# Altium PCB PCB_3U_DAC.PCBDOC (part 4 of 9)
Units mm, origin at the board's own origin, x right, y up, seen from the top; angles counter-clockwise.
Board outline 186.91 x 200.1 mm, 4 copper layers (TopLayer, Internal Plane 2, Signal Layer 1, BottomLayer), stack 1.563 mm thick; 822 components, 563 nets, 2611 pads, 820 vias.
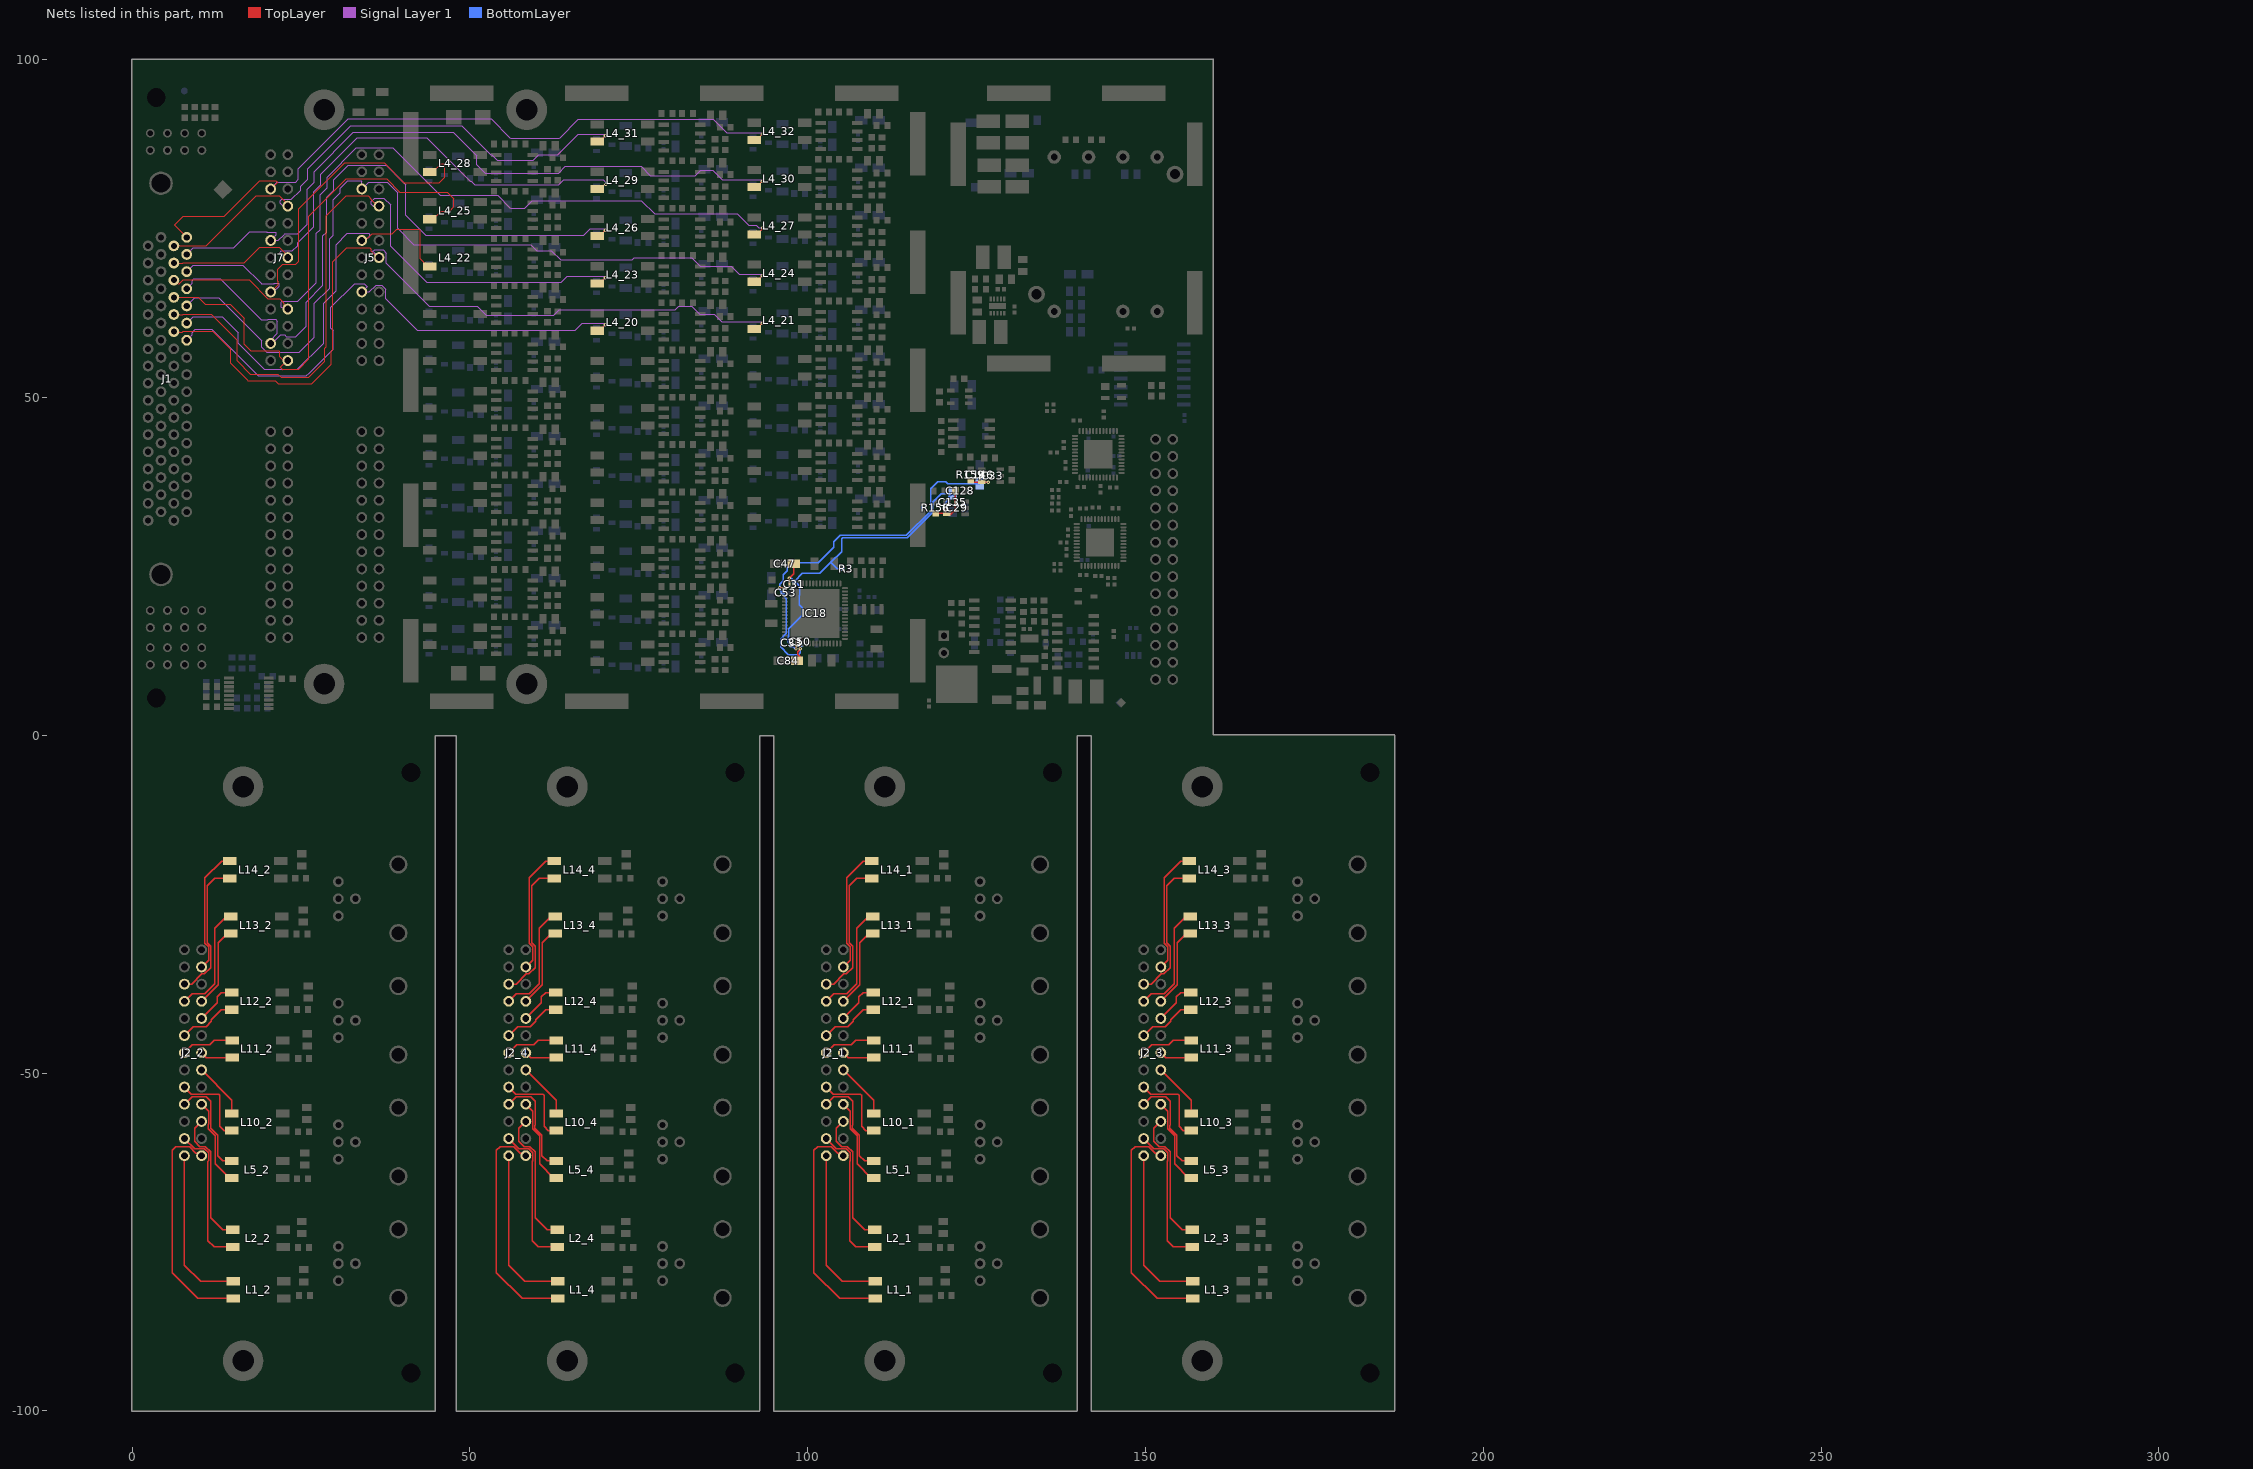
[diagram p6: the nets of this part, all layers, seen from the top]

## Via types
v1: diameter 0.5, hole 0.2, TopLayer to BottomLayer, tented both sides, 685 vias
v2: diameter 0.6, hole 0.3, TopLayer to BottomLayer, tented both sides, 105 vias
v3: diameter 1, hole 0.5, TopLayer to BottomLayer, tented both sides, 21 vias
v4: diameter 1, hole 0.6, TopLayer to BottomLayer, tented both sides, 9 vias

## Nets (pads, with @x,y where several pads share a name; then routed paths per layer and width w, separated by ;. In a path a pad name is that pad's centre, name@x,y a point inside that pad or via, vN(x,y) a via of type N, cw(c..) or ccw(c..) an arc to the next point about the centre after c; other vN are vias at no path point) (continued)
DAC_OUT_P20: J1.22 J5.10 L4_20.4 | length 83.6
  TopLayer w0.152: L4_20.4@68.846,59.881 69.186,59.881 v1(70.051,60.746)
  Signal Layer 1 w0.152: J1.22@8.07,58.471 8.861,59.262 8.861,59.56 9.369,60.068 11.782,60.068 18.182,53.667 18.657,53.193 25.784,53.193 26.259,53.667 29.65,57.059 29.739,57.148 29.739,59.94 29.65,60.03 29.396,60.284 29.396,63.332 32.923,66.858 34.318,66.858 34.426,66.75 34.771,66.405 J5.10@33.992,65.626 35.114,65.626 36.117,66.629 36.948,66.629 37.473,66.105 37.536,66.042 37.536,64.617 42.211,59.941 58.702,59.941 58.74,59.979 59.116,59.979 59.154,59.941 65.618,59.941 66.646,60.969 69.829,60.969 v1(70.051,60.746)
DAC_OUT_P21: J1.23 J5.13 L4_21.4 | length 119.9
  TopLayer w0.152: J1.23@6.165,59.741 6.219,59.687 7.436,59.687 7.528,59.779 11.931,59.779 14.55,57.16 14.55,55.046 17.007,52.588 17.097,52.499 21.161,52.499 21.626,52.034 26.543,52.034 29.46,54.951 29.46,56.874 29.587,57.001 29.676,57.09 29.676,70.089 31.771,72.184 35.149,72.184 35.238,72.095 35.415,71.918 35.415,71.625 36.334,70.706 J5.13@36.532,70.706 ; L4_21.4@92.046,60.131 92.386,60.131 v1(93.251,60.996)
  Signal Layer 1 w0.152: J5.13@36.532,70.706 35.613,71.625 35.867,71.879 37.131,71.879 37.639,71.371 37.639,69.848 37.728,69.759 43.989,63.497 51.101,63.497 52.422,62.176 62.404,62.176 63.217,62.989 80.37,62.989 80.92,63.538 82.838,63.538 84.022,62.354 86.153,62.354 87.289,61.219 93.029,61.219 v1(93.251,60.996)
DAC_OUT_P22: J1.24 J5.16 L4_22.4 | length 64.8
  TopLayer w0.152: J5.16@33.992,73.246 34.496,73.246 35.499,74.249 38.467,74.249 39.152,74.934 42.497,74.934 42.616,74.815 42.616,70.534 43.769,69.381 L4_22.4@44.046,69.381
  Signal Layer 1 w0.152: J1.24@8.07,61.011 9.032,61.973 13.306,61.973 15.668,59.611 15.668,58.037 19.546,54.158 24.464,54.158 28.342,58.037 28.342,63.975 30.171,65.804 30.171,72.616 31.848,74.292 35.038,74.292 35.15,74.181 35.15,73.9 34.496,73.246 J5.16@33.992,73.246
DAC_OUT_P23: J1.25 J5.19 L4_23.4 | length 107.6
  TopLayer w0.152: J1.25@6.165,62.281 7.49,62.281 7.528,62.319 11.681,62.319 15.515,58.485 15.515,55.445 17.497,53.464 21.56,53.464 22.026,52.999 26.143,52.999 28.495,55.35 28.495,57.273 28.711,57.49 28.711,76.892 31.682,79.863 34.923,79.863 35.415,79.371 35.415,79.245 36.334,78.326 J5.19@36.532,78.326 ; L4_23.4@68.846,66.881 69.186,66.881 v1(70.051,67.746)
  Signal Layer 1 w0.152: J5.19@36.532,78.326 35.674,78.326 35.404,78.596 35.404,79.035 35.868,79.5 37.25,79.5 38.25,78.5 38.25,72.412 43.481,67.18 43.571,67.091 63.51,67.091 64.388,67.969 69.829,67.969 v1(70.051,67.746)
DAC_OUT_P24: J1.26 J5.22 L4_24.4 | length 123
  TopLayer w0.152: L4_24.4@92.046,67.131 92.386,67.131 v1(93.251,67.996)
  Signal Layer 1 w0.152: J1.26@8.07,63.551 9.286,64.767 12.798,64.767 19.184,58.38 19.184,57.464 19.951,56.698 24.718,56.698 26.856,58.837 26.945,58.926 26.945,63.943 29.206,66.204 29.206,73.507 29.739,74.04 29.739,79.235 30.781,80.276 30.781,80.972 31.907,82.098 33.88,82.098 33.992,81.985 J5.22@33.992,80.866 34.996,81.869 37.732,81.869 39.327,80.275 39.327,75.018 41.703,72.641 59.008,72.641 59.896,71.753 62.023,71.753 63.42,70.355 74.005,70.355 74.3,70.65 82.842,70.65 84.078,69.415 88.691,69.415 89.887,68.219 93.029,68.219 v1(93.251,67.996)
DAC_OUT_P25: J1.27 J7.1 L4_25.4 | length 81.6
  TopLayer w0.152: J1.27@6.165,64.821 7.49,64.821 7.528,64.859 9.787,64.859 10.844,63.802 14.525,63.802 15.338,62.989 16.576,61.751 16.576,57.864 17.547,56.893 21.687,56.893 21.865,56.715 21.865,56.004 22.403,55.466 J7.1@23.032,55.466 22.918,55.466 21.915,54.463 22.26,54.117 22.35,54.207 24.638,54.207 26.162,55.731 26.162,76.813 31.696,82.347 37.652,82.347 39.608,80.39 46.653,80.39 47.6,79.443 47.6,78.232 46.971,77.602 45.717,77.602 44.496,76.381 L4_25.4@44.046,76.381
DAC_OUT_P26: J1.28 J7.4 L4_26.4 | length 100.6
  TopLayer w0.152: L4_26.4@68.846,73.881 69.186,73.881 v1(70.051,74.746)
  Signal Layer 1 w0.152: J1.28@8.07,66.091 8.861,66.882 8.861,67.307 9.115,67.561 13.052,67.561 19.071,61.541 20.069,61.541 ; 20.077,61.549 21.222,61.549 21.496,61.276 21.496,59.496 20.492,58.492 J7.4@20.492,58.006 20.756,58.006 22.025,59.275 22.544,59.275 22.81,59.009 24.235,59.009 25.752,60.526 25.752,64.114 28.241,66.603 28.241,73.906 28.774,74.44 28.774,79.635 29.816,80.676 29.816,82.23 31.995,84.409 37.605,84.409 40.5,81.515 40.5,77.013 43.474,74.038 66.858,74.038 67.789,74.969 69.829,74.969 v1(70.051,74.746)
DAC_OUT_P27: J1.29 J7.7 L4_27.4 | length 117.9
  TopLayer w0.152: J1.29@6.165,67.361 6.727,66.799 6.928,66.799 7.528,67.399 17.301,67.399 20.077,64.623 21.831,64.623 22.334,64.12 22.334,63.994 22.5,63.827 22.5,63.37 22.784,63.086 J7.7@23.032,63.086 ; L4_27.4@92.046,74.131 92.495,74.131 93.313,74.948 v1(93.313,75.131)
  Signal Layer 1 w0.152: J7.7@23.032,63.086 22.748,63.37 22.029,63.37 22.029,64.12 22.137,64.228 24.5,64.228 27.276,67.003 27.276,74.306 27.809,74.84 27.809,80.034 28.85,81.076 28.85,82.629 33.17,86.949 38.551,86.949 45.504,79.996 45.594,79.906 54.092,79.906 55.918,78.079 56.008,77.99 58.101,77.99 58.191,78.079 59.229,79.118 75.362,79.118 77.315,77.165 89.576,77.165 90.796,75.946 91.253,75.489 92.405,75.489 92.763,75.131 v1(93.313,75.131)
DAC_OUT_P28: J1.30 J7.10 L4_28.4 | length 63
  TopLayer w0.152: J7.10@20.492,65.626 21.59,66.724 21.59,67.133 21.539,67.184 21.539,68.96 22.282,69.703 24.237,69.703 24.688,70.154 24.688,77.964 31.438,84.714 37.301,84.714 40.227,81.788 45.466,81.788 46.3,82.622 46.3,84.374 46.072,84.602 45.717,84.602 44.496,83.381 L4_28.4@44.046,83.381
  Signal Layer 1 w0.152: J1.30@8.07,68.631 9.032,69.593 16.354,69.593 19.071,66.875 19.089,66.858 21.034,66.858 21.051,66.875 21.75,66.875 21.75,66.5 20.876,65.626 J7.10@20.492,65.626
DAC_OUT_P29: J1.31 J7.13 L4_29.4 | length 85
  TopLayer w0.152: J1.31@6.165,69.901 7.49,69.901 7.528,69.939 16.573,69.939 18.876,72.243 21.755,72.243 22.284,71.714 23.032,70.965 J7.13@23.032,70.706 ; L4_29.4@68.846,80.881 69.296,80.881 69.949,81.534 v1(70.104,81.534)
  Signal Layer 1 w0.152: J7.13@23.032,70.706 22.48,70.706 21.815,71.371 21.815,71.447 22.069,71.701 23.719,71.701 24.482,72.464 24.482,72.877 26.844,75.239 26.844,80.434 27.885,81.476 27.885,83.029 33.301,88.445 43.624,88.445 50.038,82.031 50.164,82.031 50.725,81.47 63.105,81.47 63.88,82.245 69.732,82.245 70.104,81.873 v1(70.104,81.534)
DAC_OUT_P30: J1.32 J7.16 L4_30.4 | length 106.4
  TopLayer w0.152: L4_30.4@92.046,81.131 92.386,81.131 v1(93.251,81.996)
  Signal Layer 1 w0.152: J1.32@8.07,71.171 9.032,72.133 15.007,72.133 17.42,74.546 19.883,74.546 19.951,74.478 21.307,74.478 21.307,74.06 J7.16@20.492,73.246 21.614,73.246 22.482,74.114 22.617,74.249 24.489,74.249 25.879,75.639 25.879,80.834 26.92,81.875 26.92,83.429 32.741,89.25 47.5,89.25 50.979,85.771 50.979,84.48 52.238,83.221 63.152,83.221 64.129,84.198 75.358,84.198 76.702,82.855 83.337,82.855 84.15,83.668 85.929,83.668 87.378,82.219 93.029,82.219 v1(93.251,81.996)
DAC_OUT_P31: J1.33 J7.19 L4_31.4 | length 81.7
  TopLayer w0.152: J1.33@6.165,72.441 7.49,72.441 7.528,72.479 10.985,72.479 18.368,79.863 21.755,79.863 23.032,78.585 J7.19@23.032,78.326 ; L4_31.4@68.846,87.881 69.186,87.881 v1(70.051,88.746)
  Signal Layer 1 w0.152: J7.19@23.032,78.326 22.353,78.326 21.942,78.737 21.942,79.118 22.145,79.321 23.541,79.321 24.913,80.694 24.913,81.234 25.955,82.275 25.955,83.829 32.376,90.25 48.783,90.25 53.107,85.925 53.234,85.925 54.069,85.09 59.363,85.09 60.198,85.925 62.962,85.925 66.005,88.969 69.829,88.969 v1(70.051,88.746)
DAC_OUT_P32: J1.34 J7.22 L4_32.4 | length 104.9
  TopLayer w0.152: J1.34@8.07,73.711 6.317,75.464 6.317,75.562 7.587,76.832 13.61,76.832 18.876,82.098 21.276,82.098 21.536,81.838 20.565,80.866 J7.22@20.492,80.866 ; L4_32.4@92.046,88.131 92.386,88.131 v1(93.251,88.996)
  Signal Layer 1 w0.152: J7.22@20.492,80.866 21.496,81.869 24.184,81.869 24.587,82.272 24.587,83.826 32.011,91.25 53.117,91.25 55.918,88.448 56.008,88.359 63.236,88.359 63.326,88.448 66.063,91.186 86.024,91.186 87.991,89.219 93.029,89.219 v1(93.251,88.996)
DAC_OUTN0_1: J2_1.2 L1_1.3 | length 24.4
  TopLayer w0.203: J2_1.2@102.73,-62.24 102.73,-78.441 105.112,-80.823 L1_1.3@109.968,-80.823
DAC_OUTN0_2: J2_2.2 L1_2.3 | length 24.4
  TopLayer w0.203: J2_2.2@7.73,-62.24 7.73,-78.441 10.112,-80.823 L1_2.3@14.968,-80.823
DAC_OUTN0_3: J2_3.2 L1_3.3 | length 24.4
  TopLayer w0.203: J2_3.2@149.73,-62.24 149.73,-78.441 152.112,-80.823 L1_3.3@156.968,-80.823
DAC_OUTN0_4: J2_4.2 L1_4.3 | length 24.4
  TopLayer w0.203: J2_4.2@55.73,-62.24 55.73,-78.441 58.112,-80.823 L1_4.3@62.968,-80.823
DAC_OUTN1_1: J2_1.5 L2_1.3 | length 20.2
  TopLayer w0.203: J2_1.5@105.27,-57.16 104.241,-58.188 104.241,-60.126 104.996,-60.881 105.833,-60.881 106.629,-61.677 106.629,-71.417 108.414,-73.203 L2_1.3@109.892,-73.203
DAC_OUTN1_2: J2_2.5 L2_2.3 | length 20.2
  TopLayer w0.203: J2_2.5@10.27,-57.16 9.241,-58.188 9.241,-60.126 9.996,-60.881 10.833,-60.881 11.629,-61.677 11.629,-71.417 13.414,-73.203 L2_2.3@14.892,-73.203
DAC_OUTN1_3: J2_3.5 L2_3.3 | length 20.2
  TopLayer w0.203: J2_3.5@152.27,-57.16 151.241,-58.188 151.241,-60.126 151.996,-60.881 152.833,-60.881 153.629,-61.677 153.629,-71.417 155.414,-73.203 L2_3.3@156.892,-73.203
DAC_OUTN1_4: J2_4.5 L2_4.3 | length 20.2
  TopLayer w0.203: J2_4.5@58.27,-57.16 57.241,-58.189 57.241,-60.126 57.996,-60.881 58.833,-60.881 59.629,-61.677 59.629,-71.418 61.414,-73.203 L2_4.3@62.892,-73.203
DAC_OUTN2_1: J2_1.8 L5_1.3 | length 15.6
  TopLayer w0.203: J2_1.8@102.73,-54.62 103.857,-53.492 105.976,-53.492 106.629,-54.145 106.629,-57.723 106.611,-57.741 106.611,-58.141 107.652,-59.182 107.652,-62.255 108.414,-63.017 L5_1.3@109.765,-63.017
DAC_OUTN2_2: J2_2.8 L5_2.3 | length 15.6
  TopLayer w0.203: J2_2.8@7.73,-54.62 8.857,-53.492 10.976,-53.492 11.629,-54.145 11.629,-57.723 11.611,-57.741 11.611,-58.141 12.652,-59.182 12.652,-62.255 13.414,-63.017 L5_2.3@14.765,-63.017
DAC_OUTN2_3: J2_3.8 L5_3.3 | length 15.6
  TopLayer w0.203: J2_3.8@149.73,-54.62 150.857,-53.492 152.976,-53.492 153.629,-54.145 153.629,-57.723 153.611,-57.741 153.611,-58.141 154.652,-59.182 154.652,-62.255 155.414,-63.017 L5_3.3@156.765,-63.017
DAC_OUTN2_4: J2_4.8 L5_4.3 | length 15.6
  TopLayer w0.203: J2_4.8@55.73,-54.62 56.857,-53.493 58.976,-53.493 59.629,-54.146 59.629,-57.723 59.611,-57.741 59.611,-58.141 60.652,-59.182 60.652,-62.256 61.414,-63.018 L5_4.3@62.765,-63.018
DAC_OUTN3_1: J2_1.11 L10_1.3 | length 8.3
  TopLayer w0.203: J2_1.11@105.27,-49.54 109.765,-54.035 L10_1.3@109.765,-55.982
DAC_OUTN3_2: J2_2.11 L10_2.3 | length 8.3
  TopLayer w0.203: J2_2.11@10.27,-49.54 14.765,-54.035 L10_2.3@14.765,-55.982
DAC_OUTN3_3: J2_3.11 L10_3.3 | length 8.3
  TopLayer w0.203: J2_3.11@152.27,-49.54 156.765,-54.035 L10_3.3@156.765,-55.982
DAC_OUTN3_4: J2_4.11 L10_4.3 | length 8.3
  TopLayer w0.203: J2_4.11@58.27,-49.54 62.765,-54.035 L10_4.3@62.765,-55.982
DAC_OUTN4_1: J2_1.14 L11_1.3 | length 7.8
  TopLayer w0.203: J2_1.14@102.73,-47 103.908,-45.822 106.458,-45.822 107.115,-45.165 L11_1.3@109.796,-45.165
DAC_OUTN4_2: J2_2.14 L11_2.3 | length 7.8
  TopLayer w0.203: J2_2.14@7.73,-47 8.908,-45.822 11.458,-45.822 12.115,-45.165 L11_2.3@14.796,-45.165
DAC_OUTN4_3: J2_3.14 L11_3.3 | length 7.8
  TopLayer w0.203: J2_3.14@149.73,-47 150.908,-45.822 153.458,-45.822 154.115,-45.165 L11_3.3@156.796,-45.165
DAC_OUTN4_4: J2_4.14 L11_4.3 | length 7.8
  TopLayer w0.203: J2_4.14@55.73,-47 56.908,-45.822 59.458,-45.822 60.115,-45.165 L11_4.3@62.796,-45.165
DAC_OUTN5_1: J2_1.17 L12_1.3 | length 6.5
  TopLayer w0.203: J2_1.17@105.27,-41.92 107.576,-39.614 107.576,-38.735 108.216,-38.095 L12_1.3@109.714,-38.095
DAC_OUTN5_2: J2_2.17 L12_2.3 | length 6.5
  TopLayer w0.203: J2_2.17@10.27,-41.92 12.576,-39.614 12.576,-38.735 13.216,-38.095 L12_2.3@14.714,-38.095
DAC_OUTN5_3: J2_3.17 L12_3.3 | length 6.5
  TopLayer w0.203: J2_3.17@152.27,-41.92 154.576,-39.614 154.576,-38.735 155.216,-38.095 L12_3.3@156.714,-38.095
DAC_OUTN5_4: J2_4.17 L12_4.3 | length 6.5
  TopLayer w0.203: J2_4.17@58.27,-41.92 60.576,-39.614 60.576,-38.735 61.216,-38.095 L12_4.3@62.714,-38.095
DAC_OUTN6_1: J2_1.20 L13_1.3 | length 16.9
  TopLayer w0.203: J2_1.20@102.73,-39.38 103.857,-38.252 105.773,-38.252 107.246,-36.779 107.246,-28.6 109.025,-26.821 L13_1.3@109.602,-26.821
DAC_OUTN6_2: J2_2.20 L13_2.3 | length 16.9
  TopLayer w0.203: J2_2.20@7.73,-39.38 8.857,-38.252 10.773,-38.252 12.246,-36.779 12.246,-28.6 14.025,-26.821 L13_2.3@14.602,-26.821
DAC_OUTN6_3: J2_3.20 L13_3.3 | length 16.9
  TopLayer w0.203: J2_3.20@149.73,-39.38 150.857,-38.252 152.773,-38.252 154.246,-36.779 154.246,-28.6 156.025,-26.821 L13_3.3@156.602,-26.821
DAC_OUTN6_4: J2_4.20 L13_4.3 | length 16.9
  TopLayer w0.203: J2_4.20@55.73,-39.38 56.857,-38.253 58.773,-38.253 60.246,-36.779 60.246,-28.601 62.025,-26.821 L13_4.3@62.602,-26.821
DAC_OUTN7_1: J2_1.23 L14_1.3 | length 18.6
  TopLayer w0.203: J2_1.23@105.27,-34.3 106.299,-33.271 106.299,-31.334 105.773,-30.808 105.773,-21.107 108.238,-18.642 L14_1.3@109.475,-18.642
DAC_OUTN7_2: J2_2.23 L14_2.3 | length 18.6
  TopLayer w0.203: J2_2.23@10.27,-34.3 11.299,-33.271 11.299,-31.334 10.773,-30.808 10.773,-21.107 13.238,-18.642 L14_2.3@14.475,-18.642
DAC_OUTN7_3: J2_3.23 L14_3.3 | length 18.6
  TopLayer w0.203: J2_3.23@152.27,-34.3 153.299,-33.271 153.299,-31.334 152.773,-30.808 152.773,-21.107 155.238,-18.642 L14_3.3@156.475,-18.642
DAC_OUTN7_4: J2_4.23 L14_4.3 | length 18.6
  TopLayer w0.203: J2_4.23@58.27,-34.3 59.299,-33.271 59.299,-31.334 58.773,-30.808 58.773,-21.108 61.238,-18.642 L14_4.3@62.475,-18.642
DAC_OUTP0_1: J2_1.1 L1_1.4 | length 33.9
  TopLayer w0.203: J2_1.1@105.27,-62.24 104.776,-61.746 104.679,-61.843 104.406,-61.843 103.498,-60.935 101.455,-60.935 100.921,-61.468 100.921,-79.578 104.706,-83.363 L1_1.4@109.968,-83.363
DAC_OUTP0_2: J2_2.1 L1_2.4 | length 33.9
  TopLayer w0.203: J2_2.1@10.27,-62.24 9.776,-61.746 9.679,-61.843 9.406,-61.843 8.498,-60.935 6.455,-60.935 5.921,-61.468 5.921,-79.578 9.706,-83.363 L1_2.4@14.968,-83.363
DAC_OUTP0_3: J2_3.1 L1_3.4 | length 33.9
  TopLayer w0.203: J2_3.1@152.27,-62.24 151.776,-61.746 151.679,-61.843 151.406,-61.843 150.498,-60.935 148.455,-60.935 147.921,-61.468 147.921,-79.578 151.706,-83.363 L1_3.4@156.968,-83.363
DAC_OUTP0_4: J2_4.1 L1_4.4 | length 33.9
  TopLayer w0.203: J2_4.1@58.27,-62.24 57.776,-61.746 57.679,-61.843 57.406,-61.843 56.498,-60.935 54.455,-60.935 53.921,-61.468 53.921,-79.578 57.706,-83.363 L1_4.4@62.968,-83.363
DAC_OUTP1_1: J2_1.4 L2_1.4 | length 21.6
  TopLayer w0.203: J2_1.4@102.73,-59.7 104.241,-61.211 105.696,-61.211 106.299,-61.814 106.299,-62.967 106.204,-63.061 106.204,-74.828 107.119,-75.743 L2_1.4@109.892,-75.743
DAC_OUTP1_2: J2_2.4 L2_2.4 | length 21.6
  TopLayer w0.203: J2_2.4@7.73,-59.7 9.241,-61.211 10.696,-61.211 11.299,-61.814 11.299,-62.967 11.204,-63.061 11.204,-74.828 12.119,-75.743 L2_2.4@14.892,-75.743
DAC_OUTP1_3: J2_3.4 L2_3.4 | length 21.6
  TopLayer w0.203: J2_3.4@149.73,-59.7 151.241,-61.211 152.696,-61.211 153.299,-61.814 153.299,-62.967 153.204,-63.061 153.204,-74.828 154.119,-75.743 L2_3.4@156.892,-75.743
DAC_OUTP1_4: J2_4.4 L2_4.4 | length 21.6
  TopLayer w0.203: J2_4.4@55.73,-59.7 57.241,-61.211 58.696,-61.211 59.299,-61.814 59.299,-62.967 59.204,-63.062 59.204,-74.829 60.119,-75.743 L2_4.4@62.892,-75.743
DAC_OUTP2_1: J2_1.7 L5_1.4 | length 13
  TopLayer w0.203: J2_1.7@105.27,-54.62 106.299,-55.648 106.299,-57.586 106.281,-57.604 106.281,-58.277 107.322,-59.319 107.322,-63.449 109.43,-65.557 L5_1.4@109.765,-65.557
DAC_OUTP2_2: J2_2.7 L5_2.4 | length 13
  TopLayer w0.203: J2_2.7@10.27,-54.62 11.299,-55.648 11.299,-57.586 11.281,-57.604 11.281,-58.277 12.322,-59.319 12.322,-63.449 14.43,-65.557 L5_2.4@14.765,-65.557
DAC_OUTP2_3: J2_3.7 L5_3.4 | length 13
  TopLayer w0.203: J2_3.7@152.27,-54.62 153.299,-55.648 153.299,-57.586 153.281,-57.604 153.281,-58.277 154.322,-59.319 154.322,-63.449 156.43,-65.557 L5_3.4@156.765,-65.557
DAC_OUTP2_4: J2_4.7 L5_4.4 | length 13
  TopLayer w0.203: J2_4.7@58.27,-54.62 59.299,-55.649 59.299,-57.586 59.281,-57.604 59.281,-58.278 60.322,-59.319 60.322,-63.449 62.43,-65.558 L5_4.4@62.765,-65.558
DAC_OUTP3_1: J2_1.10 L10_1.4 | length 12.4
  TopLayer w0.203: J2_1.10@102.73,-52.08 103.759,-53.108 107.776,-53.108 107.982,-53.315 107.982,-57.912 108.592,-58.522 L10_1.4@109.765,-58.522
DAC_OUTP3_2: J2_2.10 L10_2.4 | length 12.4
  TopLayer w0.203: J2_2.10@7.73,-52.08 8.759,-53.108 12.776,-53.108 12.982,-53.315 12.982,-57.912 13.592,-58.522 L10_2.4@14.765,-58.522
DAC_OUTP3_3: J2_3.10 L10_3.4 | length 12.4
  TopLayer w0.203: J2_3.10@149.73,-52.08 150.759,-53.108 154.776,-53.108 154.982,-53.315 154.982,-57.912 155.592,-58.522 L10_3.4@156.765,-58.522
DAC_OUTP3_4: J2_4.10 L10_4.4 | length 12.4
  TopLayer w0.203: J2_4.10@55.73,-52.08 56.759,-53.109 60.776,-53.109 60.982,-53.315 60.982,-57.912 61.592,-58.522 L10_4.4@62.765,-58.522
DAC_OUTP4_1: J2_1.13 L11_1.4 | length 4.8
  TopLayer w0.203: J2_1.13@105.27,-47 105.975,-47.705 L11_1.4@109.796,-47.705
DAC_OUTP4_2: J2_2.13 L11_2.4 | length 4.8
  TopLayer w0.203: J2_2.13@10.27,-47 10.975,-47.705 L11_2.4@14.796,-47.705
DAC_OUTP4_3: J2_3.13 L11_3.4 | length 4.8
  TopLayer w0.203: J2_3.13@152.27,-47 152.975,-47.705 L11_3.4@156.796,-47.705
DAC_OUTP4_4: J2_4.13 L11_4.4 | length 4.8
  TopLayer w0.203: J2_4.13@58.27,-47 58.975,-47.705 L11_4.4@62.796,-47.705
DAC_OUTP5_1: J2_1.16 L12_1.4 | length 8.7
  TopLayer w0.203: J2_1.16@102.73,-44.46 104.061,-43.129 105.925,-43.129 106.712,-42.342 106.712,-42.139 108.216,-40.635 L12_1.4@109.714,-40.635
DAC_OUTP5_2: J2_2.16 L12_2.4 | length 8.7
  TopLayer w0.203: J2_2.16@7.73,-44.46 9.061,-43.129 10.925,-43.129 11.712,-42.342 11.712,-42.139 13.216,-40.635 L12_2.4@14.714,-40.635
DAC_OUTP5_3: J2_3.16 L12_3.4 | length 8.7
  TopLayer w0.203: J2_3.16@149.73,-44.46 151.061,-43.129 152.925,-43.129 153.712,-42.342 153.712,-42.139 155.216,-40.635 L12_3.4@156.714,-40.635
DAC_OUTP5_4: J2_4.16 L12_4.4 | length 8.7
  TopLayer w0.203: J2_4.16@55.73,-44.46 57.061,-43.129 58.925,-43.129 59.712,-42.342 59.712,-42.139 61.216,-40.635 L12_4.4@62.714,-40.635
DAC_OUTP6_1: J2_1.19 L13_1.4 | length 12.1
  TopLayer w0.203: J2_1.19@105.27,-39.38 107.728,-36.921 107.728,-30.697 109.064,-29.361 L13_1.4@109.602,-29.361
DAC_OUTP6_2: J2_2.19 L13_2.4 | length 12.1
  TopLayer w0.203: J2_2.19@10.27,-39.38 12.728,-36.921 12.728,-30.697 14.064,-29.361 L13_2.4@14.602,-29.361
DAC_OUTP6_3: J2_3.19 L13_3.4 | length 12.1
  TopLayer w0.203: J2_3.19@152.27,-39.38 154.728,-36.921 154.728,-30.697 156.064,-29.361 L13_3.4@156.602,-29.361
DAC_OUTP6_4: J2_4.19 L13_4.4 | length 12.1
  TopLayer w0.203: J2_4.19@58.27,-39.38 60.728,-36.922 60.728,-30.697 62.064,-29.361 L13_4.4@62.602,-29.361
DAC_OUTP7_1: J2_1.22 L14_1.4 | length 21
  TopLayer w0.203: J2_1.22@102.73,-36.84 103.815,-36.84 105.327,-35.328 105.696,-35.328 106.629,-34.396 106.629,-31.197 106.128,-30.696 106.128,-22.301 107.247,-21.182 L14_1.4@109.475,-21.182
DAC_OUTP7_2: J2_2.22 L14_2.4 | length 21
  TopLayer w0.203: J2_2.22@7.73,-36.84 8.815,-36.84 10.327,-35.328 10.696,-35.328 11.629,-34.396 11.629,-31.197 11.128,-30.696 11.128,-22.301 12.247,-21.182 L14_2.4@14.475,-21.182
DAC_OUTP7_3: J2_3.22 L14_3.4 | length 21
  TopLayer w0.203: J2_3.22@149.73,-36.84 150.815,-36.84 152.327,-35.328 152.696,-35.328 153.629,-34.396 153.629,-31.197 153.128,-30.696 153.128,-22.301 154.247,-21.182 L14_3.4@156.475,-21.182
DAC_OUTP7_4: J2_4.22 L14_4.4 | length 21
  TopLayer w0.203: J2_4.22@55.73,-36.84 56.815,-36.84 58.327,-35.329 58.696,-35.329 59.629,-34.396 59.629,-31.197 59.128,-30.697 59.128,-22.301 60.247,-21.182 L14_4.4@62.475,-21.182
DAC_VDD: C31.2 C33.2 C47.1 C128.2 C135.1 IC18.16 IC18.35 IC29.5 R3.1 R156.2 | length 59.5
  TopLayer w0.2: IC18.16@97.313,22.481 97.253,22.541 v1(97.253,23.238) 97.918,23.903 C47.1@97.918,25.397 ; v1(98.269,12.824) 98.269,13.537 IC18.35@98.313,13.581 ; R156.2@118.933,32.847 IC29.5@120.433,32.847 ; v1(120.142,33.553) 120.433,33.262 IC29.5@120.433,32.847 ; C128.2@121.808,36.222 121.808,33.316 121.19,32.697 IC29.5@120.583,32.697 IC29.5@120.433,32.847
  BottomLayer w0.2: v1@97.38,23.238 97.576,23.238 C31.2@97.957,22.857 ; v1(98.269,12.824) 98.142,12.824 97.703,13.263 C33.2@97.634,13.263 97.576,13.263 97.097,13.742 97.097,14.596 97.175,14.674 97.175,15.794 99.158,17.777 99.158,18.908 98.836,19.23 98.836,19.242 98.777,19.301 98.777,20.717 98.79,20.73 98.79,22.082 C31.2@98.044,22.828 ; R3.1@105.194,24.638 104.351,24.638 103.407,25.582 ; v1(120.142,33.553) 120.142,34.156 120.904,34.918 120.904,35.218 C135.1@121.458,35.772 119.792,35.772 118.519,34.499 118.519,33.033 114.743,29.258 105.153,29.258 105.02,29.125 105.02,27.196 103.407,25.582 ; C31.2@97.957,22.857 98.015,22.857 C31.2@98.044,22.828 ; C31.2@97.957,22.857 C31.2@98.015,22.799 C31.2@98.044,22.828 ; C31.2@98.044,22.828 99.185,23.969 101.794,23.969 103.407,25.582
DAC_VSS: C50.2 C53.2 C84.1 C146.1 IC18.17 IC18.36 IC33.5 R159.2 | length 62.6
  TopLayer w0.203: v1(95.856,21.841) 96.553,21.841 IC18.17@96.613,21.781 ; C84.1@98.426,11.046 98.65,11.046 98.904,11.3 98.904,11.711 98.832,11.711 98.552,11.991 98.552,12.387 98.904,12.739 v1(98.904,12.824) 98.813,12.915 IC18.36@98.813,13.581 ; R159.2@124.05,37.589 124.154,37.485 IC33.5@125.785,37.485 126.694,37.485 v1(126.717,37.462)
  BottomLayer w0.203: v1@95.729,21.841 95.787,21.783 95.787,21.587 C53.2@96.295,21.079 96.592,20.782 96.592,20.464 96.846,20.21 96.846,15.09 95.983,14.226 95.983,13.078 97.126,11.935 98.65,11.935 98.904,12.189 v1(98.904,12.824) C50.2@98.904,13.39 ; v1(95.856,21.841) 95.856,22.349 96.364,22.857 96.364,23.773 96.952,24.361 96.952,24.969 97.507,25.524 101.571,25.524 103.857,27.81 103.857,28.656 104.787,29.587 114.607,29.587 118.19,33.17 118.19,36.522 119.226,37.558 120.436,37.558 120.744,37.251 C146.1@125.46,37.251 ; C146.1@125.066,37.589 125.193,37.462 v1(126.717,37.462)